# KiCad board EndGame.kicad_pcb (continued)
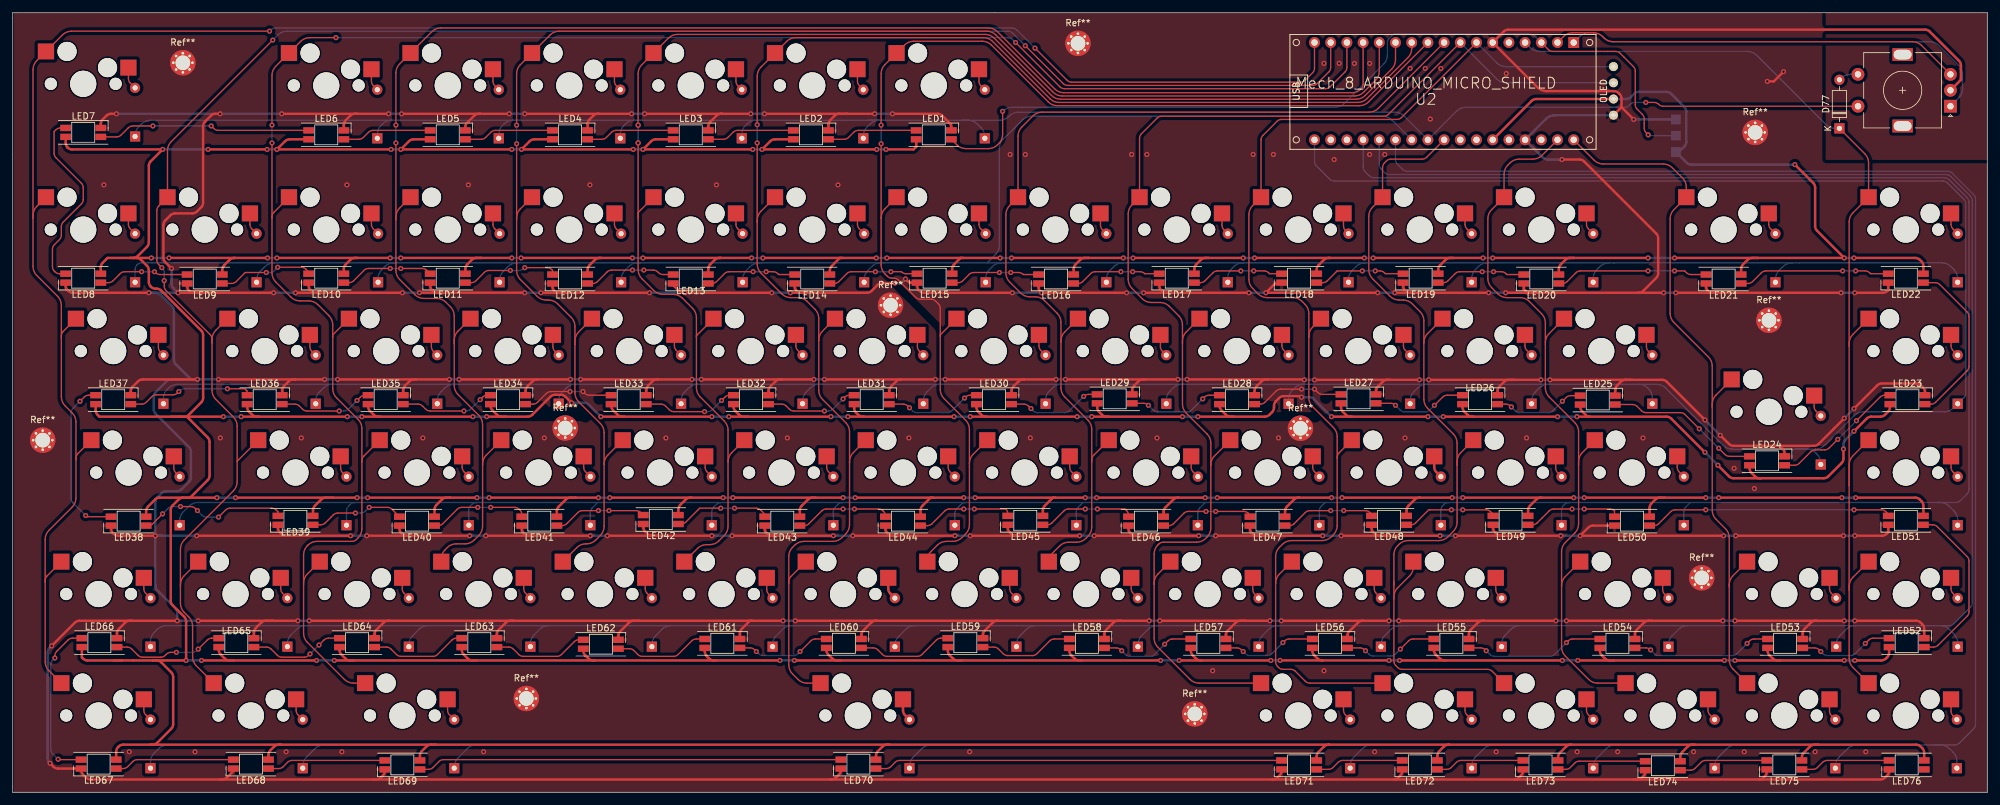
[diagram p0: board, top side]
## Routing (per net, layer and track width the routed paths; a pad name or vN(x,y) marks a point on that pad's centre or on a via; arc(x,y) is an arc through that point)
GND: length 2103.8
  Top w0.381: SW77.C 305.44,111.72 305.44,113.98 arc(305.36,114.36) 305.14,114.69 300.54,119.29 arc(300.21,119.51) 299.83,119.58 234.46,119.58 arc(234.08,119.51) 233.75,119.29 U2.GND 239.06,110.54 arc(239.71,110.1) 240.48,109.95 251.05,109.95 arc(251.43,109.87) 251.75,109.66 251.93,109.48 arc(252.15,109.16) 252.22,108.77 252.22,107.43 ; 32.51,2 32.86,2 arc(33.24,2.08) 33.57,2.29 34.59,3.31 34.59,3.71 ; 32.51,2 56.52,2 ; 32.51,2 12.23,2 arc(11.84,2.08) 11.52,2.29 11,2.81 arc(10.79,3.13) 10.71,3.51 10.71,3.71 7.08,3.71 arc(6.7,3.79) 6.38,4.01 v1(5.84,4.54) ; 62.36,40.23 61.74,40.23 arc(61.36,40.3) 61.04,40.52 60.92,40.64 arc(60.7,40.96) 60.62,41.35 LED40.3 ; 62.36,40.23 v1(55.5,40.23) ; 62.36,40.23 v1(71.63,40.23) ; v1(131.7,40.23) 138.56,40.23 ; 138.56,40.23 137.94,40.23 arc(137.56,40.3) 137.24,40.52 137.12,40.64 arc(136.9,40.96) 136.82,41.35 LED44.3 ; 138.56,40.23 v1(147.7,40.23) ; v1(58.93,106.39) 53.97,106.39 ; 53.97,106.39 v1(42.16,106.39) ; 53.97,106.39 53.63,106.39 arc(53.24,106.32) 52.92,106.1 52.19,105.37 arc(51.98,105.05) 51.9,104.67 LED6.3 ; 86.23,78.33 85.2,78.33 84.92,78.61 arc(84.7,78.94) 84.63,79.32 LED12.3 ; 86.23,78.33 v1(82.8,78.33) ; 86.23,78.33 v1(99.82,78.33) ; 215.9,64.68 215.49,64.68 arc(215.11,64.6) 214.78,64.38 214.03,63.63 arc(213.82,63.31) 213.74,62.93 213.74,62.39 ; 215.9,64.68 v1(204.09,64.68) ; 215.9,64.68 v1(220.53,64.68) ; LED50.3 247.75,41.81 arc(247.36,41.74) 247.04,41.52 v1(245.75,40.23) v1(268.22,40.23) ; LED3.3 109.05,104.41 arc(109.13,104.79) 109.34,105.12 110.32,106.1 arc(110.65,106.32) 111.03,106.39 111.25,106.39 ; v1(179.83,26.89) 193.29,26.89 ; 193.29,26.89 v1(197.1,26.89) ; 193.29,26.89 192.44,26.89 arc(192.06,26.82) 191.73,26.6 190.49,25.36 arc(190.28,25.04) 190.2,24.66 LED57.3 ; 28.96,78.33 v1(40.89,78.33) ; 28.96,78.33 27.93,78.33 27.64,78.61 arc(27.43,78.94) 27.35,79.32 LED9.3 ; 28.96,78.33 v1(25.91,78.33) ; v1(270,26.89) 282.83,26.89 ; 282.83,26.89 282.61,26.89 arc(282.23,26.82) 281.9,26.6 280.92,25.62 arc(280.7,25.29) 280.63,24.91 LED53.3 ; 282.83,26.89 v1(287.15,26.89) ; v1(288.8,78.33) 293.21,78.33 arc(293.59,78.4) 293.92,78.62 294.05,78.75 LED22.3 ; 211.71,26.89 211.62,26.89 arc(211.23,26.82) 210.91,26.6 209.54,25.24 arc(209.33,24.91) 209.25,24.53 LED56.3 ; 211.71,26.89 v1(198.88,26.89) ; 211.71,26.89 v1(215.77,26.89) ; 254.13,2 254.73,2 arc(255.11,2.08) 255.44,2.29 255.66,2.51 arc(255.87,2.84) 255.95,3.22 LED74.3 ; 254.13,2 235.46,2 ; 254.13,2 273.81,2 ; 273.81,2 292.83,2 arc(293.21,2.08) 293.54,2.29 293.88,2.64 arc(294.1,2.96) 294.18,3.35 LED76.3 ; 273.81,2 274.19,2 274.71,2.51 arc(274.92,2.84) 275,3.22 LED75.3 ; v1(121.92,78.33) 124.59,78.33 ; 124.59,78.33 133.95,78.33 arc(134.33,78.4) 134.66,78.62 135.6,79.56 arc(135.92,79.78) 136.3,79.85 v1(138.3,79.85) ; 124.59,78.33 123.18,78.33 122.89,78.61 arc(122.68,78.94) 122.6,79.32 LED14.3 ; 130.81,106.39 v1(117.86,106.39) ; 130.81,106.39 129.57,106.39 arc(129.19,106.32) 128.87,106.1 128.18,105.42 arc(127.97,105.09) 127.89,104.71 LED2.3 ; 130.81,106.39 v1(135.13,106.39) ; 73.28,106.39 v1(60.96,106.39) ; 73.28,106.39 73.06,106.39 arc(72.68,106.32) 72.35,106.1 71.24,104.99 arc(71.03,104.67) 70.95,104.29 LED5.3 ; 73.28,106.39 v1(77.85,106.39) ; 235.46,2 235.84,2 236.48,2.64 arc(236.7,2.96) 236.77,3.35 LED73.3 ; 235.46,2 216.54,2 ; 67.18,78.34 80.25,78.34 v1(80.26,78.33) ; 67.18,78.34 66.56,78.34 arc(66.17,78.42) 65.85,78.63 65.74,78.74 arc(65.53,79.06) 65.45,79.45 LED11.3 ; 67.18,78.34 v1(63.76,78.34) ; LED49.3 232.07,41.47 arc(232.15,41.09) 232.37,40.77 232.61,40.52 arc(232.94,40.3) 233.32,40.23 233.81,40.23 ; 154.43,26.89 154.34,26.89 arc(153.96,26.82) 153.63,26.6 152.39,25.36 arc(152.18,25.04) 152.1,24.66 152.1,24.16 ; 154.43,26.89 135.51,26.89 ; 154.43,26.89 173.74,26.89 ; 48.64,78.33 v1(61.09,78.33) ; 48.64,78.33 v1(44.32,78.33) ; 48.64,78.33 47.52,78.33 arc(47.14,78.4) 46.81,78.62 46.69,78.74 arc(46.48,79.06) 46.4,79.45 LED10.3 ; 128.14,2 128.36,2 arc(128.75,2.08) 129.07,2.29 129.55,2.77 arc(129.76,3.09) 129.84,3.47 129.84,3.71 ; 128.14,2 197.49,2 ; 128.14,2 56.52,2 ; 158.62,64.74 158.4,64.74 arc(158.02,64.66) 157.7,64.45 156.88,63.63 arc(156.67,63.31) 156.59,62.93 LED30.3 ; 158.62,64.74 v1(146.18,64.74) ; 158.62,64.74 v1(163.58,64.74) ; 235.33,64.68 v1(239.58,64.68) ; 235.33,64.68 v1(222,64.68) ; 235.33,64.68 234.54,64.68 arc(234.16,64.6) 233.83,64.38 233.08,63.63 arc(232.87,63.31) 232.79,62.93 LED26.3 ; v1(74.17,40.23) 81.53,40.23 ; 81.53,40.23 80.92,40.23 arc(80.54,40.3) 80.21,40.52 80.09,40.64 arc(79.88,40.96) 79.8,41.35 LED41.3 ; 81.53,40.23 v1(90.55,40.23) ; 252.22,107.43 254.13,105.52 v1(254.13,105.51) ; 252.22,107.43 OL1.1 ; LED7.3 13.8,104.79 arc(13.88,105.18) 14.09,105.5 14.69,106.1 arc(15.02,106.32) 15.4,106.39 v1(16.26,106.39) ; 277.02,54.32 269.78,54.32 arc(269.4,54.4) 269.07,54.62 v1(267.72,55.98) ; 277.02,54.32 282.41,54.32 arc(282.8,54.4) 283.12,54.62 v1(287.15,58.64) ; 277.02,54.32 277.5,53.85 arc(277.71,53.53) 277.79,53.14 LED24.3 ; 177.67,64.74 v1(182.69,64.74) ; 177.67,64.74 177.2,64.74 arc(176.82,64.66) 176.49,64.45 175.81,63.76 arc(175.59,63.44) 175.51,63.05 LED29.3 ; 177.67,64.74 v1(165.04,64.74) ; LED28.3 194.69,62.93 arc(194.77,63.31) 194.98,63.63 195.8,64.45 arc(196.12,64.66) 196.5,64.74 196.85,64.74 ; v1(25.78,26.89) 18.67,26.89 ; 18.67,26.89 10.45,26.89 arc(10.06,26.82) 9.74,26.6 v1(6.1,22.96) ; 18.67,26.89 18.32,26.89 arc(17.94,26.82) 17.61,26.6 16.63,25.62 arc(16.42,25.29) 16.34,24.91 16.34,24.16 ; 82.3,64.74 v1(87.44,64.74) ; 82.3,64.74 82.2,64.74 arc(81.82,64.66) 81.5,64.45 80.68,63.63 arc(80.47,63.31) 80.39,62.93 LED34.3 ; 82.3,64.74 v1(69.98,64.74) ; 196.09,40.23 195.09,40.23 arc(194.71,40.3) 194.39,40.52 194.27,40.64 arc(194.05,40.96) 193.97,41.35 LED47.3 ; 196.09,40.23 v1(188.59,40.23) ; 196.09,40.23 v1(205.36,40.23) ; LED18.3 198.47,79.91 arc(198.09,79.84) 197.76,79.62 v1(196.47,78.33) v1(214,78.33) ; v1(234.06,78.33) 238.76,78.33 ; 238.76,78.33 254.79,78.33 ; 238.76,78.33 237.89,78.33 arc(237.51,78.4) 237.18,78.62 236.9,78.91 LED20.3 ; 215.52,40.23 v1(223.77,40.23) ; 215.52,40.23 v1(208.28,40.23) ; 215.52,40.23 214.27,40.23 arc(213.89,40.3) 213.56,40.52 213.32,40.77 arc(213.1,41.09) 213.02,41.47 LED48.3 ; 216.54,2 216.92,2 217.56,2.64 arc(217.77,2.96) 217.85,3.35 LED72.3 ; 216.54,2 197.49,2 ; v1(112.78,40.23) 119.76,40.23 ; 119.76,40.23 v1(128.65,40.23) ; 119.76,40.23 119.02,40.23 arc(118.64,40.3) 118.31,40.52 118.19,40.64 arc(117.98,40.96) 117.9,41.35 LED43.3 ; 197.49,2 197.58,2 arc(197.96,2.08) 198.29,2.29 198.63,2.64 arc(198.85,2.96) 198.93,3.35 LED71.3 ; LED69.3 58.34,3.35 arc(58.26,2.96) 58.04,2.64 57.7,2.29 arc(57.37,2.08) 56.99,2 56.52,2 ; v1(93.22,40.23) 101.09,40.23 ; 101.09,40.23 v1(109.6,40.23) ; 101.09,40.23 100.22,40.23 arc(99.84,40.3) 99.52,40.52 99.14,40.89 arc(98.93,41.22) 98.85,41.6 LED42.3 ; 135.51,26.89 v1(122.68,26.89) ; 135.51,26.89 135.29,26.89 arc(134.91,26.82) 134.58,26.6 133.34,25.36 arc(133.13,25.04) 133.05,24.66 LED60.3 ; v1(21.34,78.33) 9.42,78.33 arc(9.04,78.4) 8.71,78.62 8.59,78.74 arc(8.38,79.06) 8.3,79.45 LED8.3 ; v1(137.92,106.39) 145.01,106.39 arc(145.4,106.32) 145.72,106.1 146.86,104.97 arc(147.07,104.64) 147.15,104.26 LED1.3 ; v1(139.95,80.49) 140.23,80.21 arc(140.56,79.99) 140.94,79.91 LED15.3 141.78,79.45 arc(141.85,79.06) 142.07,78.74 142.19,78.62 arc(142.51,78.4) 142.9,78.33 v1(156.72,78.33) ; v1(22.35,40.23) 16.53,40.23 arc(16.15,40.3) 15.82,40.52 15.7,40.64 arc(15.49,40.96) 15.41,41.35 LED38.3 ; v1(32.51,106.39) 31.78,106.39 arc(31.4,106.32) 31.08,106.1 30.14,105.16 arc(29.92,104.84) 29.84,104.46 29.84,92.46 arc(29.77,92.07) 29.55,91.75 28.87,91.07 arc(28.54,90.85) 28.16,90.77 25.43,90.77 arc(25.05,90.7) 24.73,90.48 23.91,89.67 arc(23.7,89.34) 23.62,88.96 23.62,83.82 arc(23.7,83.44) 23.91,83.11 v1(24.89,82.14) ; 173.74,26.89 v1(178.18,26.89) ; 173.74,26.89 173.26,26.89 arc(172.88,26.82) 172.55,26.6 171.44,25.49 arc(171.23,25.17) 171.15,24.78 LED58.3 ; 78.49,26.89 98.17,26.89 ; 78.49,26.89 59.05,26.89 ; 78.49,26.89 78.01,26.89 arc(77.63,26.82) 77.3,26.6 76.19,25.49 arc(75.98,25.17) 75.9,24.78 75.9,24.16 ; 98.17,26.89 97.32,26.89 arc(96.93,26.82) 96.61,26.6 95.24,25.24 arc(95.03,24.91) 94.95,24.53 LED62.3 ; 98.17,26.89 115.95,26.89 ; v1(243.59,26.89) 256.92,26.89 ; 256.92,26.89 v1(268.1,26.89) ; 256.92,26.89 256.45,26.89 arc(256.06,26.82) 255.74,26.6 254.63,25.49 arc(254.41,25.17) 254.34,24.78 LED54.3 ; LED36.3 42.25,63.01 arc(42.32,63.39) 42.54,63.72 43.27,64.45 arc(43.59,64.66) 43.98,64.74 44.32,64.74 ; 63.25,64.74 v1(68.45,64.74) ; 63.25,64.74 v1(50.93,64.74) ; 63.25,64.74 62.9,64.74 arc(62.52,64.66) 62.19,64.45 61.51,63.76 arc(61.29,63.44) 61.21,63.05 LED35.3 ; 101.22,64.74 101,64.74 arc(100.62,64.66) 100.29,64.45 99.61,63.76 arc(99.39,63.44) 99.31,63.05 LED33.3 ; 101.22,64.74 v1(106.49,64.74) ; 101.22,64.74 v1(89.03,64.74) ; 111.25,106.39 v1(99.06,106.39) ; 111.25,106.39 v1(115.7,106.39) ; 59.05,26.89 58.83,26.89 arc(58.45,26.82) 58.13,26.6 57.02,25.49 arc(56.8,25.17) 56.72,24.78 56.72,24.16 ; 59.05,26.89 v1(46.48,26.89) ; 230.63,26.89 230.41,26.89 arc(230.03,26.82) 229.7,26.6 228.59,25.49 arc(228.38,25.17) 228.3,24.78 LED55.3 ; 230.63,26.89 v1(217.3,26.89) ; 230.63,26.89 v1(241.94,26.89) ; v1(202.5,64.68) 202.44,64.74 196.85,64.74 ; LED45.3 156,41.47 arc(156.08,41.09) 156.29,40.77 156.54,40.52 arc(156.86,40.3) 157.25,40.23 157.73,40.23 ; 139.32,64.74 139.23,64.74 arc(138.84,64.66) 138.52,64.45 137.71,63.63 arc(137.49,63.31) 137.41,62.93 LED31.3 ; 139.32,64.74 v1(127.25,64.74) ; 139.32,64.74 v1(144.65,64.74) ; v1(226.19,40.23) 233.81,40.23 ; 233.81,40.23 v1(242.7,40.23) ; 176.91,40.23 176.04,40.23 arc(175.66,40.3) 175.34,40.52 175.22,40.64 arc(175,40.96) 174.92,41.35 LED46.3 ; 176.91,40.23 v1(185.93,40.23) ; 176.91,40.23 v1(169.55,40.23) ; 299.68,24.16 299.68,25.63 arc(299.6,26.02) 299.38,26.34 299.12,26.6 arc(298.8,26.82) 298.42,26.89 v1(288.8,26.89) ; v1(28.96,64.74) 20.35,64.74 arc(19.97,64.66) 19.65,64.45 18.79,63.59 arc(18.57,63.27) 18.5,62.88 LED37.3 ; LED21.3 265.47,79.32 arc(265.55,78.94) 265.77,78.61 266.05,78.33 267.21,78.33 ; v1(265.3,58.39) 259.31,64.38 arc(258.98,64.6) 258.6,64.68 253.62,64.68 ; v1(288.8,40.23) 293.08,40.23 arc(293.47,40.3) 293.79,40.52 294.05,40.78 LED51.3 ; v1(174.62,78.33) v1(161.29,78.33) 161.12,78.5 arc(160.9,78.82) 160.83,79.21 LED16.3 ; 254.79,78.33 254.92,78.33 arc(255.3,78.4) 255.63,78.62 257.68,80.67 arc(257.89,80.99) 257.97,81.38 257.97,86.9 arc(257.89,87.28) 257.68,87.61 246.36,98.93 arc(246.03,99.14) 245.65,99.22 v1(242.89,99.22) ; 254.79,78.33 v1(258.83,78.33) ; v1(150.11,40.23) 157.73,40.23 ; 157.73,40.23 v1(167.26,40.23) ; v1(275.08,111.47) 276.1,111.47 v1(277.62,113) ; v1(119,78.33) v1(105.41,78.33) 105.16,78.33 arc(104.77,78.4) 104.45,78.62 103.55,79.52 LED13.3 ; 91.82,106.39 91.73,106.39 arc(91.34,106.32) 91.02,106.1 90.42,105.5 arc(90.2,105.18) 90.13,104.79 LED4.3 ; 91.82,106.39 v1(80.26,106.39) ; 91.82,106.39 v1(97.03,106.39) ; LED25.3 251.25,63.09 arc(251.32,63.48) 251.54,63.8 252.12,64.38 arc(252.45,64.6) 252.83,64.68 253.62,64.68 ; v1(184.09,64.74) 196.85,64.74 ; 120.65,64.74 v1(125.6,64.74) ; 120.65,64.74 120.3,64.74 arc(119.92,64.66) 119.6,64.45 118.78,63.63 arc(118.57,63.31) 118.49,62.93 LED32.3 ; 120.65,64.74 v1(107.95,64.74) ; v1(177.29,78.33) 181.61,78.33 ; 181.61,78.33 v1(193.8,78.33) ; 181.61,78.33 180.87,78.33 arc(180.49,78.4) 180.16,78.62 180.04,78.74 arc(179.83,79.06) 179.75,79.45 LED17.3 ; 253.62,64.68 v1(240.98,64.68) ; v1(28.83,40.23) 43.43,40.23 ; 43.43,40.23 42.82,40.23 arc(42.44,40.3) 42.11,40.52 41.87,40.77 arc(41.65,41.09) 41.57,41.47 LED39.3 ; 43.43,40.23 v1(52.96,40.23) ; v1(260.73,78.33) 267.21,78.33 ; 267.21,78.33 v1(286.64,78.33) ; 219.58,78.33 v1(231.39,78.33) ; 219.58,78.33 219.1,78.33 arc(218.71,78.4) 218.39,78.62 218.27,78.74 arc(218.05,79.06) 217.98,79.45 LED19.3 ; 219.58,78.33 v1(216.66,78.33) ; 37.8,24.16 37.8,25.04 arc(37.88,25.42) 38.09,25.74 38.95,26.6 arc(39.27,26.82) 39.66,26.89 40.77,26.89 ; v1(29.08,26.89) 40.77,26.89 ; 40.77,26.89 v1(44.7,26.89) ; 44.32,64.74 v1(48.89,64.74) ; 44.32,64.74 v1(32.26,64.74) ; v1(288.67,60.17) 292.32,63.81 arc(292.64,64.03) 293.02,64.1 298.43,64.1 arc(298.81,64.03) 299.14,63.81 299.51,63.44 arc(299.73,63.11) 299.8,62.73 LED23.3 ; v1(270.13,40.23) v1(287.02,40.23) ; LED61.3 114,24.91 arc(114.08,25.29) 114.29,25.62 115.57,26.89 115.95,26.89 ; 115.95,26.89 v1(120.78,26.89)
  Bottom w0.381: v1(241.94,26.89) v1(243.59,26.89) ; v1(139.95,80.49) 139.61,80.14 arc(139.29,79.93) 138.9,79.85 v1(138.3,79.85) ; v1(197.1,26.89) v1(198.88,26.89) ; v1(174.62,78.33) v1(177.29,78.33) ; v1(267.72,55.98) v1(265.3,58.39) ; v1(156.72,78.33) v1(161.29,78.33) ; v1(147.7,40.23) v1(150.11,40.23) ; v1(90.55,40.23) v1(93.22,40.23) ; 27.94,64.74 24.8,64.74 arc(24.42,64.66) 24.09,64.45 22.39,62.75 arc(22.17,62.42) 22.1,62.04 22.1,60.07 arc(22.17,59.69) 22.39,59.37 27.65,54.11 arc(27.86,53.78) 27.94,53.4 27.94,49.4 arc(27.86,49.02) 27.65,48.7 26.45,47.51 arc(26.13,47.29) 25.75,47.21 24.04,47.21 arc(23.65,47.14) 23.33,46.92 22.64,46.24 arc(22.43,45.91) 22.35,45.53 v1(22.35,40.23) ; 27.94,64.74 v1(28.96,64.74) v1(32.26,64.74) ; 27.94,64.74 25.57,67.11 arc(25.35,67.44) 25.27,67.82 25.27,75.5 arc(25.21,75.84) 25.05,76.14 23.15,78.03 arc(22.83,78.25) 22.44,78.33 ; v1(22.35,40.23) v1(28.83,40.23) ; v1(22.35,40.23) 22.35,32.39 arc(22.43,32) 22.64,31.68 25.49,28.84 arc(25.7,28.51) 25.78,28.13 v1(25.78,26.89) v1(29.08,26.89) ; v1(22.35,40.23) 23.42,40.23 ; v1(242.7,40.23) v1(245.75,40.23) ; v1(40.89,78.33) v1(44.32,78.33) ; v1(242.89,99.22) 240.62,99.22 arc(240.24,99.29) 239.91,99.51 237.11,102.31 240.38,105.59 arc(241.03,106.02) 241.8,106.17 OL1.1 ; v1(117.86,106.39) v1(115.7,106.39) ; v1(128.65,40.23) v1(131.7,40.23) ; v1(60.96,106.39) v1(58.93,106.39) ; v1(119,78.33) v1(121.92,78.33) ; v1(205.36,40.23) v1(208.28,40.23) ; v1(215.77,26.89) v1(217.3,26.89) ; v1(24.89,82.14) 24.89,79.76 arc(24.97,79.37) 25.18,79.05 v1(25.91,78.33) v1(21.34,78.33) ; v1(42.16,106.39) v1(32.51,106.39) v1(16.26,106.39) ; v1(268.22,40.23) v1(270.13,40.23) ; v1(106.49,64.74) v1(107.95,64.74) ; v1(21.34,78.33) 22.44,78.33 ; v1(21.34,78.33) 22.44,78.33 ; v1(120.78,26.89) v1(122.68,26.89) ; v1(258.83,78.33) v1(260.73,78.33) ; v1(68.45,64.74) v1(69.98,64.74) ; v1(52.96,40.23) v1(55.5,40.23) ; v1(63.76,78.34) 63.75,78.33 v1(61.09,78.33) ; v1(214,78.33) v1(216.66,78.33) ; v1(44.7,26.89) v1(46.48,26.89) ; v1(254.13,105.51) J1.3 ; v1(193.8,78.33) v1(196.47,78.33) ; v1(286.64,78.33) v1(288.8,78.33) ; v1(231.39,78.33) v1(234.06,78.33) ; v1(182.69,64.74) v1(184.09,64.74) ; v1(178.18,26.89) v1(179.83,26.89) ; v1(223.77,40.23) v1(226.19,40.23) ; v1(144.65,64.74) v1(146.18,64.74) ; v1(167.26,40.23) v1(169.55,40.23) ; v1(6.1,22.96) 5.75,22.61 arc(5.54,22.29) 5.46,21.91 5.46,5.34 arc(5.54,4.95) 5.75,4.63 v1(5.84,4.54) ; v1(163.58,64.74) v1(165.04,64.74) ; v1(287.02,40.23) v1(288.8,40.23) ; v1(80.26,106.39) v1(77.85,106.39) ; v1(268.1,26.89) v1(270,26.89) ; v1(48.89,64.74) v1(50.93,64.74) ; v1(99.06,106.39) v1(97.03,106.39) ; v1(287.15,26.89) v1(288.8,26.89) ; v1(239.58,64.68) v1(240.98,64.68) ; v1(202.5,64.68) v1(204.09,64.68) ; v1(71.63,40.23) v1(74.17,40.23) ; v1(185.93,40.23) v1(188.59,40.23) ; v1(287.15,58.64) v1(288.67,60.17) ; v1(80.26,78.33) v1(82.8,78.33) ; v1(125.6,64.74) v1(127.25,64.74) ; v1(109.6,40.23) v1(112.78,40.23) ; v1(99.82,78.33) v1(105.41,78.33) ; v1(87.44,64.74) v1(89.03,64.74) ; v1(220.53,64.68) v1(222,64.68) ; v1(137.92,106.39) v1(135.13,106.39)
  vias: v1(14.29,95.25) v1(18.26,6.35) v1(28.58,6.35) v1(32.54,55.56) v1(42.86,6.35) v1(45.24,55.56) v1(51.59,6.35) v1(52.39,95.25) v1(64.29,55.56) v1(71.44,95.25) v1(73.82,6.35) v1(83.34,55.56) v1(90.49,95.25) v1(102.39,55.56) v1(110.33,95.25) v1(121.44,55.56) v1(129.38,95.25) v1(140.49,55.56) v1(150.02,6.35) v1(156.37,100.01) v1(158.75,100.01) v1(159.54,55.56) v1(175.42,100.01) v1(177.8,100.01) v1(179.39,55.56) v1(188.12,19.05) v1(194.47,100.01) v1(197.64,100.01) v1(198.44,55.56) v1(205.58,114.3) v1(205.58,19.05) v1(207.17,99.22) v1(207.96,114.3) v1(210.34,114.3) v1(212.73,114.3) v1(212.73,100.01) v1(213.52,6.35) v1(215.11,100.01) v1(218.28,55.56) v1(219.07,113.51) v1(221.46,113.51) v1(222.25,105.57) v1(223.89,113.51) v1(232.57,6.35) v1(234.16,112.71) v1(237.33,55.56) v1(245.27,6.35) v1(251.62,6.35) v1(255.59,55.56) v1(263.53,6.35) v1(269.88,50.8) v1(271.46,6.35) v1(273.05,47.62) v1(282.57,6.35) v1(290.51,6.35)
VCC: length 2016.8
  Top w0.381: LED18.1 204.43,81.93 arc(204.5,82.32) 204.72,82.64 205.57,83.5 arc(205.9,83.71) 206.28,83.79 206.5,83.79 ; v1(78.23,100.81) v1(60.83,100.81) 62.13,102.1 arc(62.45,102.32) 62.83,102.39 LED5.1 ; v1(97.28,100.81) v1(79.76,100.81) 81.05,102.1 arc(81.37,102.32) 81.76,102.39 LED4.1 ; 152.65,58.9 v1(166.88,58.9) ; 152.65,58.9 v1(150.11,58.9) ; 152.65,58.9 152.56,58.9 arc(152.18,58.97) 151.85,59.19 151.38,59.66 arc(151.17,59.98) 151.09,60.37 LED30.1 ; LED52.1 294.18,21.89 arc(294.1,21.51) 293.88,21.18 293.66,20.96 arc(293.34,20.75) 292.96,20.67 v1(288.8,20.67) ; LED26.1 227.29,60.4 arc(227.37,60.01) 227.58,59.69 228.08,59.19 arc(228.41,58.97) 228.79,58.9 228.98,58.9 ; 187.45,83.79 186.98,83.79 arc(186.59,83.71) 186.27,83.5 185.54,82.77 arc(185.33,82.44) 185.25,82.06 LED17.1 ; 187.45,83.79 v1(175.64,83.79) ; 187.45,83.79 v1(192.91,83.79) ; 186.44,20.67 186.22,20.67 arc(185.83,20.75) 185.51,20.96 184.99,21.48 arc(184.78,21.8) 184.7,22.18 LED57.1 ; 186.44,20.67 v1(182.88,20.67) ; 186.44,20.67 v1(197.23,20.67) ; 133.48,58.9 v1(147.57,58.9) ; 133.48,58.9 v1(130.94,58.9) ; 133.48,58.9 133.26,58.9 arc(132.87,58.97) 132.55,59.19 132.21,59.53 arc(131.99,59.86) 131.91,60.24 LED31.1 ; 34.8,83.79 34.7,83.79 arc(34.32,83.71) 34,83.5 33.14,82.64 arc(32.93,82.32) 32.85,81.93 LED9.1 ; 34.8,83.79 v1(24.51,83.79) ; 34.8,83.79 v1(39.94,83.79) ; v1(35.81,58.9) 38.61,58.9 ; 38.61,58.9 38.26,58.9 arc(37.88,58.97) 37.55,59.19 37.04,59.7 arc(36.82,60.03) 36.75,60.41 LED36.1 ; 38.61,58.9 v1(52.45,58.9) ; 228.98,58.9 v1(224.28,58.9) ; 228.98,58.9 v1(242.19,58.9) ; v1(287.02,53.82) 287.02,52.33 arc(286.94,51.94) 286.73,51.62 284.65,49.54 arc(284.32,49.32) 283.94,49.24 274.07,49.24 ; v1(288.67,56.61) 290.66,58.6 arc(290.99,58.82) 291.37,58.9 292.83,58.9 arc(293.21,58.97) 293.54,59.19 294.01,59.66 arc(294.23,59.99) 294.3,60.37 LED23.1 ; 148.84,20.67 167.64,20.67 ; 148.84,20.67 148.12,20.67 arc(147.73,20.75) 147.41,20.96 146.89,21.48 arc(146.68,21.8) 146.6,22.18 LED59.1 ; 148.84,20.67 129.79,20.67 ; 167.64,20.67 167.17,20.67 arc(166.78,20.75) 166.46,20.96 165.94,21.48 arc(165.73,21.8) 165.65,22.18 LED58.1 ; 167.64,20.67 v1(179.96,20.67) ; 283.08,7.46 298.42,7.46 arc(298.8,7.39) 299.12,7.17 299.38,6.91 arc(299.6,6.58) 299.68,6.2 LED76.1 ; 283.08,7.46 282.48,7.46 arc(282.1,7.39) 281.77,7.17 280.79,6.19 arc(280.58,5.86) 280.5,5.48 LED75.1 ; 283.08,7.46 263.65,7.46 ; 258.95,46.2 v1(265.43,46.2) ; 258.95,46.2 v1(246.38,46.2) ; 258.95,46.2 258.22,46.2 arc(257.84,46.12) 257.52,45.9 256.92,45.3 arc(256.7,44.98) 256.62,44.6 LED50.1 ; 144.27,46.2 v1(149.1,46.2) ; 144.27,46.2 143.89,46.2 142.62,44.92 arc(142.4,44.6) 142.32,44.21 LED44.1 ; 144.27,46.2 v1(132.08,46.2) ; 224.66,20.67 v1(242.95,20.67) ; 224.66,20.67 224.44,20.67 arc(224.06,20.75) 223.74,20.96 223.09,21.6 arc(222.88,21.93) 222.8,22.31 LED55.1 ; 224.66,20.67 v1(217.42,20.67) ; v1(288.93,46.2) 298.29,46.2 arc(298.67,46.12) 299,45.9 299.26,45.64 arc(299.47,45.32) 299.55,44.94 LED51.1 ; LED41.1 85.3,44.09 arc(85.38,44.47) 85.59,44.79 86.7,45.9 arc(87.03,46.12) 87.41,46.2 88.27,46.2 ; LED13.1 109.05,82.06 arc(109.13,82.44) 109.34,82.77 110.07,83.5 arc(110.39,83.71) 110.78,83.79 111,83.79 ; LED73.1 242.27,5.48 arc(242.35,5.86) 242.56,6.19 243.55,7.17 arc(243.87,7.39) 244.25,7.46 244.35,7.46 ; v1(112.9,46.2) 125.86,46.2 ; 125.86,46.2 v1(130.18,46.2) ; 125.86,46.2 125.38,46.2 arc(125,46.12) 124.68,45.9 123.69,44.92 arc(123.48,44.6) 123.4,44.21 LED43.1 ; LED3.1 100.81,102.39 arc(100.42,102.32) 100.1,102.1 v1(98.81,100.81) v1(116.01,100.81) ; LED11.1 70.95,82.06 arc(71.03,82.44) 71.24,82.77 71.97,83.5 arc(72.29,83.71) 72.68,83.79 73.41,83.79 ; 263.65,7.46 263.3,7.46 arc(262.92,7.39) 262.6,7.17 261.74,6.31 arc(261.53,5.99) 261.45,5.61 261.45,4.86 ; 263.65,7.46 244.35,7.46 ; 50.16,46.2 49.06,46.2 arc(48.67,46.12) 48.35,45.9 47.37,44.92 arc(47.15,44.6) 47.07,44.21 LED39.1 ; 50.16,46.2 v1(34.92,46.2) ; 50.16,46.2 v1(53.97,46.2) ; LED8.1 13.8,82.31 arc(13.88,82.7) 14.09,83.02 14.86,83.79 18.41,83.79 ; 111,83.79 v1(115.82,83.79) ; 111,83.79 v1(98.81,83.79) ; LED72.1 223.35,5.73 arc(223.43,6.12) 223.64,6.44 224.37,7.17 arc(224.69,7.39) 225.08,7.46 225.17,7.46 ; LED40.1 66.12,44.34 arc(66.2,44.72) 66.42,45.05 67.27,45.9 arc(67.6,46.12) 67.98,46.2 68.58,46.2 ; 42.04,7.46 41.69,7.46 arc(41.31,7.39) 40.98,7.17 40.38,6.57 arc(40.16,6.24) 40.09,5.86 LED68.1 ; 42.04,7.46 21.59,7.46 ; 42.04,7.46 66.29,7.46 ; 247.27,58.9 246.89,58.9 246.04,59.75 arc(245.82,60.07) 245.75,60.45 LED25.1 ; 247.27,58.9 v1(245.24,58.9) ; 247.27,58.9 259.3,58.9 arc(259.68,58.82) 260.01,58.6 v1(265.3,53.31) ; 148.97,83.79 148.59,83.79 147.57,82.77 arc(147.35,82.44) 147.28,82.06 LED15.1 ; 148.97,83.79 v1(154.81,83.79) ; 148.97,83.79 v1(137.03,83.79) ; 182.75,46.2 182.66,46.2 arc(182.28,46.12) 181.95,45.9 180.72,44.67 arc(180.5,44.34) 180.42,43.96 LED46.1 ; 182.75,46.2 v1(169.93,46.2) ; 182.75,46.2 v1(186.94,46.2) ; 225.17,7.46 244.35,7.46 ; 225.17,7.46 206.38,7.46 ; v1(208.41,46.2) 220.6,46.2 ; 220.6,46.2 220.51,46.2 arc(220.12,46.12) 219.8,45.9 218.82,44.92 arc(218.6,44.6) 218.52,44.21 LED48.1 ; 220.6,46.2 v1(225.68,46.2) ; 21.59,7.46 17.31,7.46 arc(16.92,7.39) 16.6,7.17 16.5,7.08 arc(16.29,6.75) 16.21,6.37 LED67.1 ; 21.59,7.46 21.94,7.46 arc(22.32,7.54) 22.64,7.75 24.85,9.96 arc(25.07,10.29) 25.15,10.67 25.15,18.1 arc(25.07,18.48) 24.85,18.8 23.28,20.38 arc(22.96,20.59) 22.57,20.67 21.97,20.67 ; 273.56,83.79 v1(287.15,83.79) 282.87,88.07 arc(282.65,88.39) 282.57,88.77 282.57,94.84 arc(282.5,95.22) 282.28,95.54 v1(279.4,98.42) ; 273.56,83.79 v1(260.54,83.79) ; 273.56,83.79 272.7,83.79 arc(272.32,83.71) 272,83.5 271.27,82.77 arc(271.05,82.44) 270.97,82.06 LED21.1 ; v1(245.36,20.67) 251.08,20.67 ; 251.08,20.67 v1(268.35,20.67) ; 251.08,20.67 250.35,20.67 arc(249.97,20.75) 249.64,20.96 249.13,21.48 arc(248.91,21.8) 248.84,22.18 LED54.1 ; v1(55.63,46.2) 68.58,46.2 ; 68.58,46.2 v1(72.77,46.2) ; LED65.1 32.3,22.31 arc(32.38,21.93) 32.59,21.6 33.24,20.96 arc(33.56,20.75) 33.94,20.67 34.67,20.67 ; 24.89,58.9 13.59,58.9 13.29,59.19 arc(13.07,59.52) 13,59.9 LED37.1 ; 24.89,58.9 v1(33.02,58.9) ; 24.89,58.9 27.3,58.9 ; 205.36,20.68 215.76,20.68 v1(215.77,20.67) ; 205.36,20.68 205.26,20.68 arc(204.87,20.75) 204.55,20.97 204.04,21.48 arc(203.83,21.8) 203.75,22.18 LED56.1 ; 205.36,20.68 v1(198.69,20.68) ; 201.68,46.2 201.58,46.2 arc(201.2,46.12) 200.88,45.9 199.77,44.79 arc(199.55,44.47) 199.47,44.09 LED47.1 ; 201.68,46.2 v1(206.76,46.2) ; 201.68,46.2 v1(188.85,46.2) ; 95.89,58.9 v1(109.6,58.9) ; 95.89,58.9 v1(92.2,58.9) ; 95.89,58.9 95.54,58.9 arc(95.15,58.97) 94.83,59.19 94.11,59.91 arc(93.89,60.24) 93.81,60.62 LED33.1 ; LED34.1 74.89,60.62 arc(74.97,60.24) 75.18,59.91 75.91,59.19 arc(76.23,58.97) 76.61,58.9 77.34,58.9 ; LED62.1 89.45,22.18 arc(89.53,21.8) 89.74,21.48 90.26,20.96 arc(90.58,20.75) 90.97,20.67 91.19,20.67 ; LED14.1 128.1,81.81 arc(128.18,82.19) 128.39,82.51 129.67,83.79 130.05,83.79 ; 130.05,83.79 v1(135.38,83.79) ; 130.05,83.79 v1(117.6,83.79) ; LED7.1 8.3,101.81 arc(8.38,101.43) 8.59,101.1 8.6,101.1 arc(8.92,100.88) 9.3,100.81 v1(23.49,100.81) 21.63,98.94 arc(21.41,98.62) 21.34,98.23 21.34,86.23 arc(21.26,85.85) 21.04,85.53 19.6,84.08 arc(19.27,83.86) 18.89,83.79 ; v1(185.8,58.9) 191.39,58.9 ; 191.39,58.9 190.91,58.9 arc(190.53,58.97) 190.21,59.19 189.48,59.91 arc(189.27,60.24) 189.19,60.62 LED28.1 ; 191.39,58.9 196.31,58.9 arc(196.69,58.97) 197.02,59.19 197.45,59.62 arc(197.66,59.94) 197.74,60.33 197.74,60.61 arc(197.82,60.99) 198.03,61.32 198.54,61.83 arc(198.87,62.04) 199.25,62.12 201.88,62.12 v1(202.06,61.94) ; 57.66,58.9 57.31,58.9 arc(56.93,58.97) 56.6,59.19 56.01,59.79 arc(55.79,60.11) 55.71,60.49 LED35.1 ; 57.66,58.9 v1(54.74,58.9) ; 57.66,58.9 v1(72.14,58.9) ; 34.67,20.67 v1(29.59,20.67) ; 34.67,20.67 v1(47.62,20.67) ; LED49.1 237.57,44.21 arc(237.65,44.6) 237.87,44.92 238.85,45.9 arc(239.17,46.12) 239.56,46.2 239.65,46.2 ; 115.32,58.9 114.59,58.9 arc(114.2,58.97) 113.88,59.19 113.28,59.79 arc(113.07,60.11) 112.99,60.49 LED32.1 ; 115.32,58.9 v1(128.27,58.9) ; 115.32,58.9 v1(112.27,58.9) ; 17.14,20.67 21.97,20.67 ; 17.14,20.67 11.72,20.67 arc(11.33,20.75) 11.01,20.96 10.84,21.13 LED66.1 ; 17.14,20.67 15.78,20.67 ; 73.41,83.79 v1(78.23,83.79) ; 73.41,83.79 v1(60.83,83.79) ; v1(232.03,83.79) 244.73,83.79 ; 244.73,83.79 244.13,83.79 arc(243.74,83.71) 243.42,83.5 242.69,82.77 arc(242.48,82.44) 242.4,82.06 LED20.1 ; 244.73,83.79 v1(256.38,83.79) ; LED63.1 70.4,22.31 arc(70.48,21.93) 70.69,21.6 71.34,20.96 arc(71.66,20.75) 72.04,20.67 72.77,20.67 ; v1(32,46.2) 27.81,46.2 ; 27.81,46.2 30.57,48.95 arc(30.78,49.28) 30.86,49.66 30.86,54.93 arc(30.78,55.31) 30.57,55.63 27.3,58.9 ; 27.81,46.2 23.02,46.2 arc(22.64,46.12) 22.31,45.9 21.2,44.79 arc(20.99,44.47) 20.91,44.09 20.91,43.21 ; 27.81,46.2 26.7,46.2 arc(26.32,46.12) 26,45.9 25.06,44.97 arc(24.84,44.64) 24.77,44.26 24.77,30.04 arc(24.84,29.65) 25.06,29.33 26.89,27.5 arc(27.1,27.18) 27.18,26.8 v1(27.18,20.67) 21.97,20.67 ; 18.41,83.79 v1(21.72,83.79) ; 18.41,83.79 18.89,83.79 ; LED61.1 108.5,22.06 arc(108.58,21.67) 108.79,21.35 109.18,20.96 arc(109.51,20.75) 109.89,20.67 110.24,20.67 ; LED64.1 51.22,22.31 arc(51.3,21.93) 51.52,21.6 52.16,20.96 arc(52.48,20.75) 52.87,20.67 53.47,20.67 ; v1(93.6,46.2) 106.43,46.2 ; 106.43,46.2 106.21,46.2 arc(105.82,46.12) 105.5,45.9 104.64,45.05 arc(104.43,44.72) 104.35,44.34 LED42.1 ; 106.43,46.2 v1(111.38,46.2) ; 239.65,46.2 v1(227.33,46.2) ; 239.65,46.2 v1(244.73,46.2) ; 129.79,20.67 129.19,20.67 arc(128.81,20.75) 128.49,20.96 127.84,21.6 arc(127.63,21.93) 127.55,22.31 LED60.1 ; 129.79,20.67 v1(122.55,20.67) ; v1(136.91,100.81) 141.22,100.81 141.65,101.23 LED1.1 ; 274.07,49.24 269.78,49.24 arc(269.4,49.32) 269.07,49.54 v1(267.34,51.28) ; 274.07,49.24 273.85,49.24 arc(273.47,49.32) 273.15,49.54 272.58,50.1 arc(272.36,50.43) 272.29,50.81 LED24.1 ; LED22.1 299.55,82.53 arc(299.47,82.91) 299.26,83.24 299,83.5 arc(298.67,83.71) 298.29,83.79 v1(288.67,83.79) ; v1(267.46,46.2) v1(286.77,46.2) ; LED12.1 90.13,81.93 arc(90.2,82.32) 90.42,82.64 91.27,83.5 arc(91.6,83.71) 91.98,83.79 92.2,83.79 ; v1(41.4,83.79) 53.97,83.79 ; 53.97,83.79 53.63,83.79 arc(53.24,83.71) 52.92,83.5 52.19,82.77 arc(51.98,82.44) 51.9,82.06 LED10.1 ; 53.97,83.79 v1(59.18,83.79) ; v1(213.3,83.79) 225.81,83.79 ; 225.81,83.79 v1(230.5,83.79) ; 225.81,83.79 225.33,83.79 arc(224.95,83.71) 224.62,83.5 223.77,82.64 arc(223.55,82.32) 223.48,81.93 LED19.1 ; LED45.1 161.5,44.21 arc(161.58,44.6) 161.79,44.92 163.07,46.2 163.45,46.2 ; v1(39.88,100.81) v1(30.63,100.81) ; v1(87.63,61.06) 86.65,62.03 arc(86.33,62.25) 85.95,62.33 85,62.33 arc(84.61,62.25) 84.29,62.03 81.45,59.19 arc(81.12,58.97) 80.74,58.9 77.34,58.9 ; LED53.1 275.13,22.18 arc(275.2,21.8) 275.42,21.48 275.93,20.96 arc(276.26,20.75) 276.64,20.67 277.11,20.67 ; 18.89,83.79 19.4,83.79 arc(19.78,83.71) 20.1,83.5 21.04,82.56 arc(21.26,82.23) 21.34,81.85 21.34,80.01 arc(21.41,79.63) 21.63,79.3 21.68,79.26 arc(22,79.04) 22.39,78.96 22.57,78.96 arc(22.96,78.89) 23.28,78.67 29.55,72.4 arc(29.77,72.07) 29.84,71.69 29.84,61.85 arc(29.77,61.47) 29.55,61.14 27.3,58.9 ; 277.11,20.67 v1(287.15,20.67) ; 277.11,20.67 v1(270,20.67) ; v1(206.76,58.9) 209.93,58.9 ; 209.93,58.9 v1(221.87,58.9) ; 209.93,58.9 209.71,58.9 arc(209.33,58.97) 209,59.19 208.53,59.66 arc(208.32,59.98) 208.24,60.37 LED27.1 ; v1(74.3,58.9) 77.34,58.9 ; v1(150.88,46.2) 163.45,46.2 ; 163.45,46.2 v1(168.15,46.2) ; 206.5,83.79 v1(194.69,83.79) ; 206.5,83.79 v1(211.9,83.79) ; OL1.2 238.84,108.71 arc(238.46,108.64) 238.13,108.42 U2.5V ; 92.2,83.79 v1(97.15,83.79) ; 92.2,83.79 v1(79.69,83.79) ; 88.27,46.2 v1(74.68,46.2) ; 88.27,46.2 v1(91.82,46.2) ; 66.29,7.46 65.57,7.46 arc(65.18,7.39) 64.86,7.17 64.13,6.44 arc(63.91,6.12) 63.84,5.73 LED69.1 ; 66.29,7.46 137.41,7.46 ; 171.83,58.9 v1(183.39,58.9) ; 171.83,58.9 v1(169.16,58.9) ; 171.83,58.9 171.48,58.9 arc(171.1,58.97) 170.78,59.19 170.31,59.66 arc(170.09,59.98) 170.01,60.37 LED29.1 ; v1(59.31,100.81) v1(41.4,100.81) 42.7,102.1 arc(43.02,102.32) 43.4,102.39 LED6.1 ; 137.41,7.46 206.38,7.46 ; 137.41,7.46 137.07,7.46 arc(136.68,7.39) 136.36,7.17 135.63,6.44 arc(135.41,6.12) 135.34,5.73 LED70.1 ; 110.24,20.67 v1(120.27,20.67) ; 110.24,20.67 91.19,20.67 ; 168.66,83.79 v1(174.12,83.79) ; 168.66,83.79 v1(156.59,83.79) ; 168.66,83.79 168.05,83.79 arc(167.67,83.71) 167.35,83.5 166.62,82.77 arc(166.4,82.44) 166.33,82.06 LED16.1 ; 53.47,20.67 72.77,20.67 ; 53.47,20.67 v1(50.42,20.67) ; 206.38,7.46 206.28,7.46 arc(205.9,7.39) 205.57,7.17 204.72,6.31 arc(204.5,5.99) 204.43,5.61 LED71.1 ; 91.19,20.67 72.77,20.67 ; v1(135.44,100.81) v1(117.48,100.81) 118.77,102.1 arc(119.09,102.32) 119.48,102.39 LED2.1
  Bottom w0.381: v1(135.38,83.79) v1(137.03,83.79) ; v1(27.18,20.67) v1(29.59,20.67) ; v1(268.35,20.67) v1(270,20.67) ; v1(72.77,46.2) v1(74.68,46.2) ; v1(166.88,58.9) v1(169.16,58.9) ; v1(60.83,100.81) v1(59.31,100.81) ; v1(97.15,83.79) v1(98.81,83.79) ; v1(168.15,46.2) v1(169.93,46.2) ; v1(279.4,98.42) 263.15,98.42 arc(262.76,98.5) 262.44,98.72 J1.1 260.82,100.43 arc(261.21,100.5) 261.53,100.72 262.09,101.28 arc(262.31,101.6) 262.38,101.98 262.38,106.74 arc(262.31,107.12) 262.09,107.45 260.01,109.53 arc(259.68,109.75) 259.3,109.82 254.92,109.82 arc(254.54,109.75) 254.22,109.53 253.69,109 arc(253.37,108.79) 252.98,108.71 OL1.2 ; v1(130.18,46.2) v1(132.08,46.2) ; v1(198.69,20.68) 198.68,20.67 v1(197.23,20.67) ; v1(265.43,46.2) v1(267.46,46.2) ; v1(215.77,20.67) v1(217.42,20.67) ; v1(183.39,58.9) v1(185.8,58.9) ; v1(109.6,58.9) v1(112.27,58.9) ; v1(192.91,83.79) v1(194.69,83.79) ; v1(79.76,100.81) v1(78.23,100.81) ; v1(87.63,61.06) 89.63,61.06 arc(90.01,60.98) 90.34,60.76 v1(92.2,58.9) ; v1(39.94,83.79) v1(41.4,83.79) ; v1(21.72,83.79) v1(24.51,83.79) ; v1(91.82,46.2) v1(93.6,46.2) ; v1(244.73,46.2) v1(246.38,46.2) ; v1(98.81,100.81) v1(97.28,100.81) ; v1(136.91,100.81) v1(135.44,100.81) ; v1(287.02,53.82) 287.02,54.55 arc(287.1,54.93) 287.31,55.25 v1(288.67,56.61) ; v1(211.9,83.79) v1(213.3,83.79) ; v1(30.63,100.81) v1(23.49,100.81) ; v1(174.12,83.79) v1(175.64,83.79) ; v1(78.23,83.79) v1(79.69,83.79) ; v1(52.45,58.9) v1(54.74,58.9) ; v1(117.48,100.81) v1(116.01,100.81) ; v1(47.62,20.67) v1(50.42,20.67) ; v1(287.15,83.79) v1(288.67,83.79) ; v1(111.38,46.2) v1(112.9,46.2) ; v1(287.15,20.67) v1(288.8,20.67) ; v1(115.82,83.79) v1(117.6,83.79) ; v1(286.77,46.2) v1(288.93,46.2) ; v1(242.19,58.9) v1(245.24,58.9) ; v1(206.76,46.2) v1(208.41,46.2) ; v1(41.4,100.81) v1(39.88,100.81) ; v1(202.06,61.94) 203.29,61.94 arc(203.68,61.87) 204,61.65 v1(206.76,58.9) ; v1(149.1,46.2) v1(150.88,46.2) ; v1(33.02,58.9) v1(35.81,58.9) ; v1(256.38,83.79) v1(260.54,83.79) ; v1(230.5,83.79) v1(232.03,83.79) ; v1(72.14,58.9) v1(74.3,58.9) ; v1(147.57,58.9) v1(150.11,58.9) ; v1(265.3,53.31) v1(267.34,51.28) ; v1(179.96,20.67) v1(182.88,20.67) ; v1(32,46.2) v1(34.92,46.2) ; v1(59.18,83.79) v1(60.83,83.79) ; v1(221.87,58.9) v1(224.28,58.9) ; v1(186.94,46.2) v1(188.85,46.2) ; v1(242.95,20.67) v1(245.36,20.67) ; v1(154.81,83.79) v1(156.59,83.79) ; v1(120.27,20.67) v1(122.55,20.67) ; v1(53.97,46.2) v1(55.63,46.2) ; v1(225.68,46.2) v1(227.33,46.2) ; v1(128.27,58.9) v1(130.94,58.9)
